# Altium PCB pcb.PcbDoc (part 1 of 2)
Units mm, origin at the board's own origin, x right, y up, seen from the top; angles counter-clockwise.
Board outline 68.58 x 53.34 mm, 2 copper layers (Top Layer, Bottom Layer); 105 components, 71 nets, 323 pads, 73 vias.
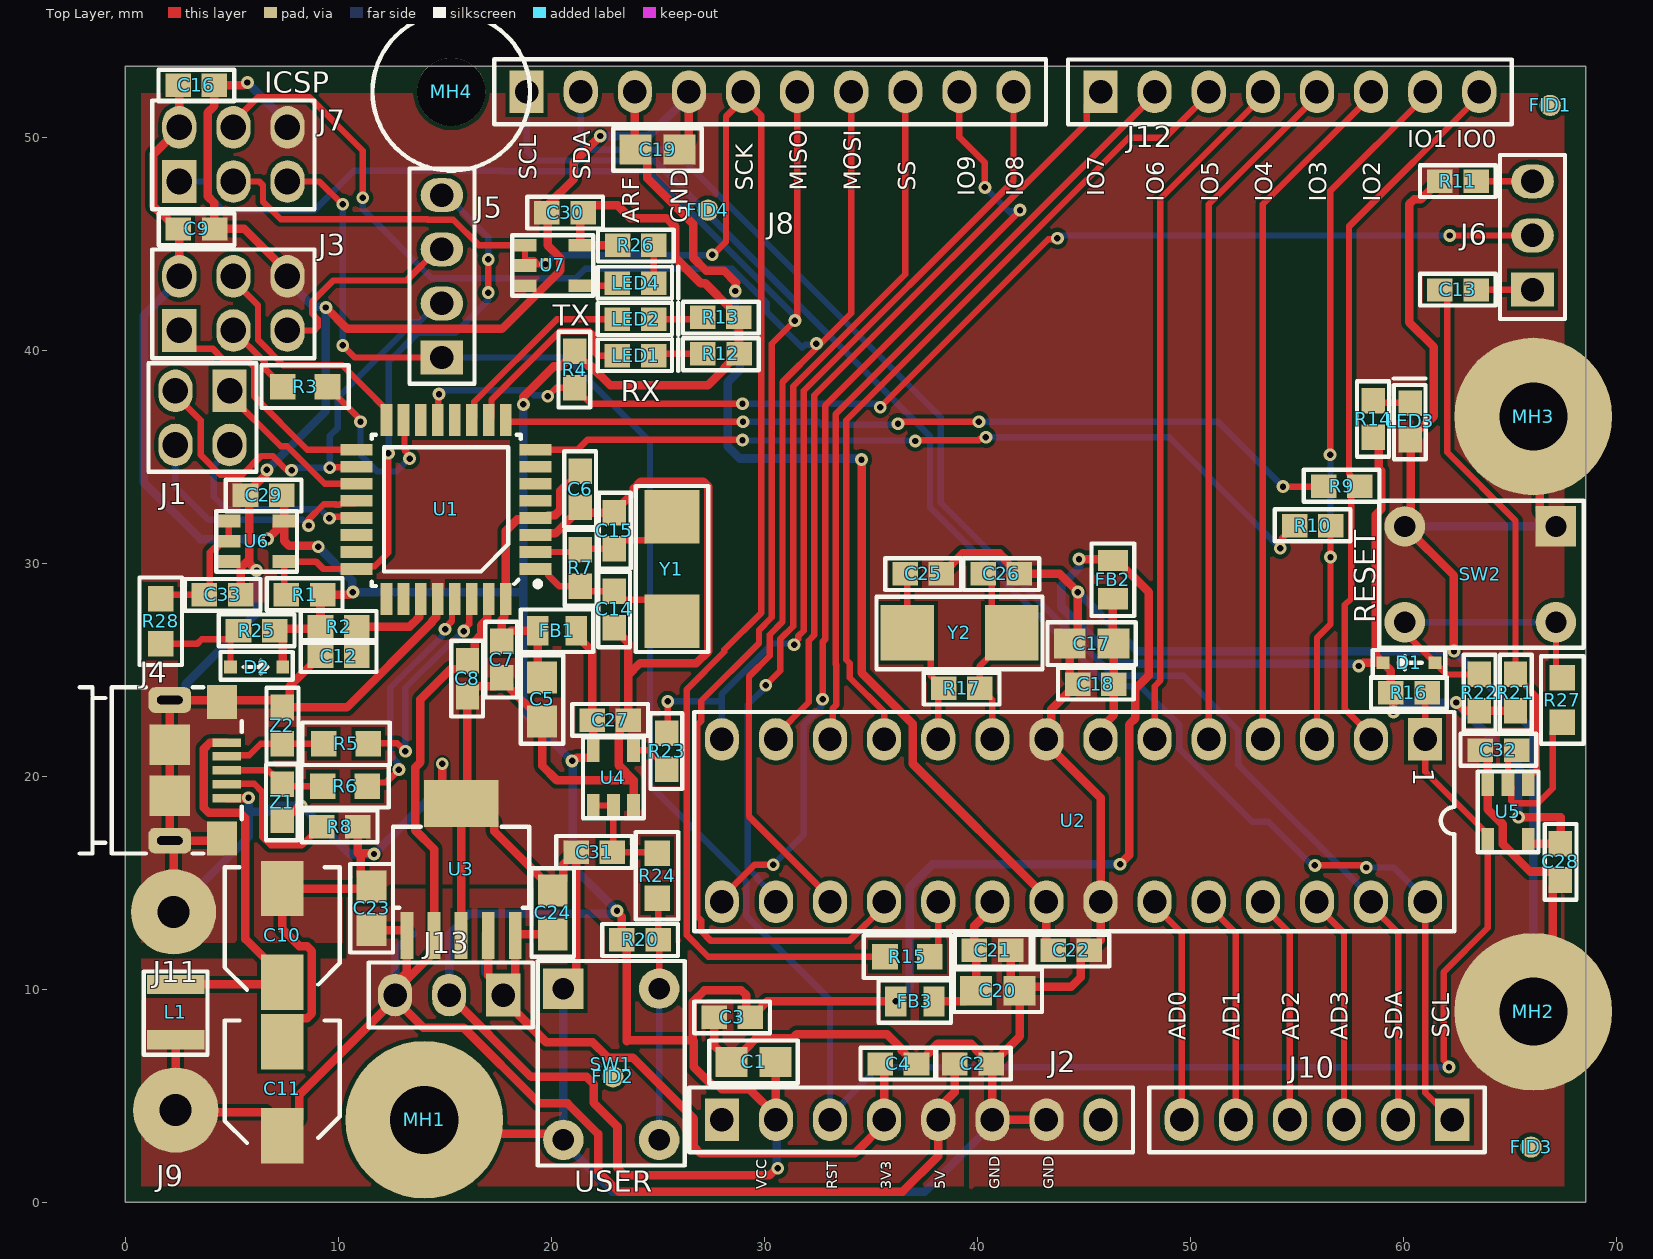
[diagram p0: Top Layer view]
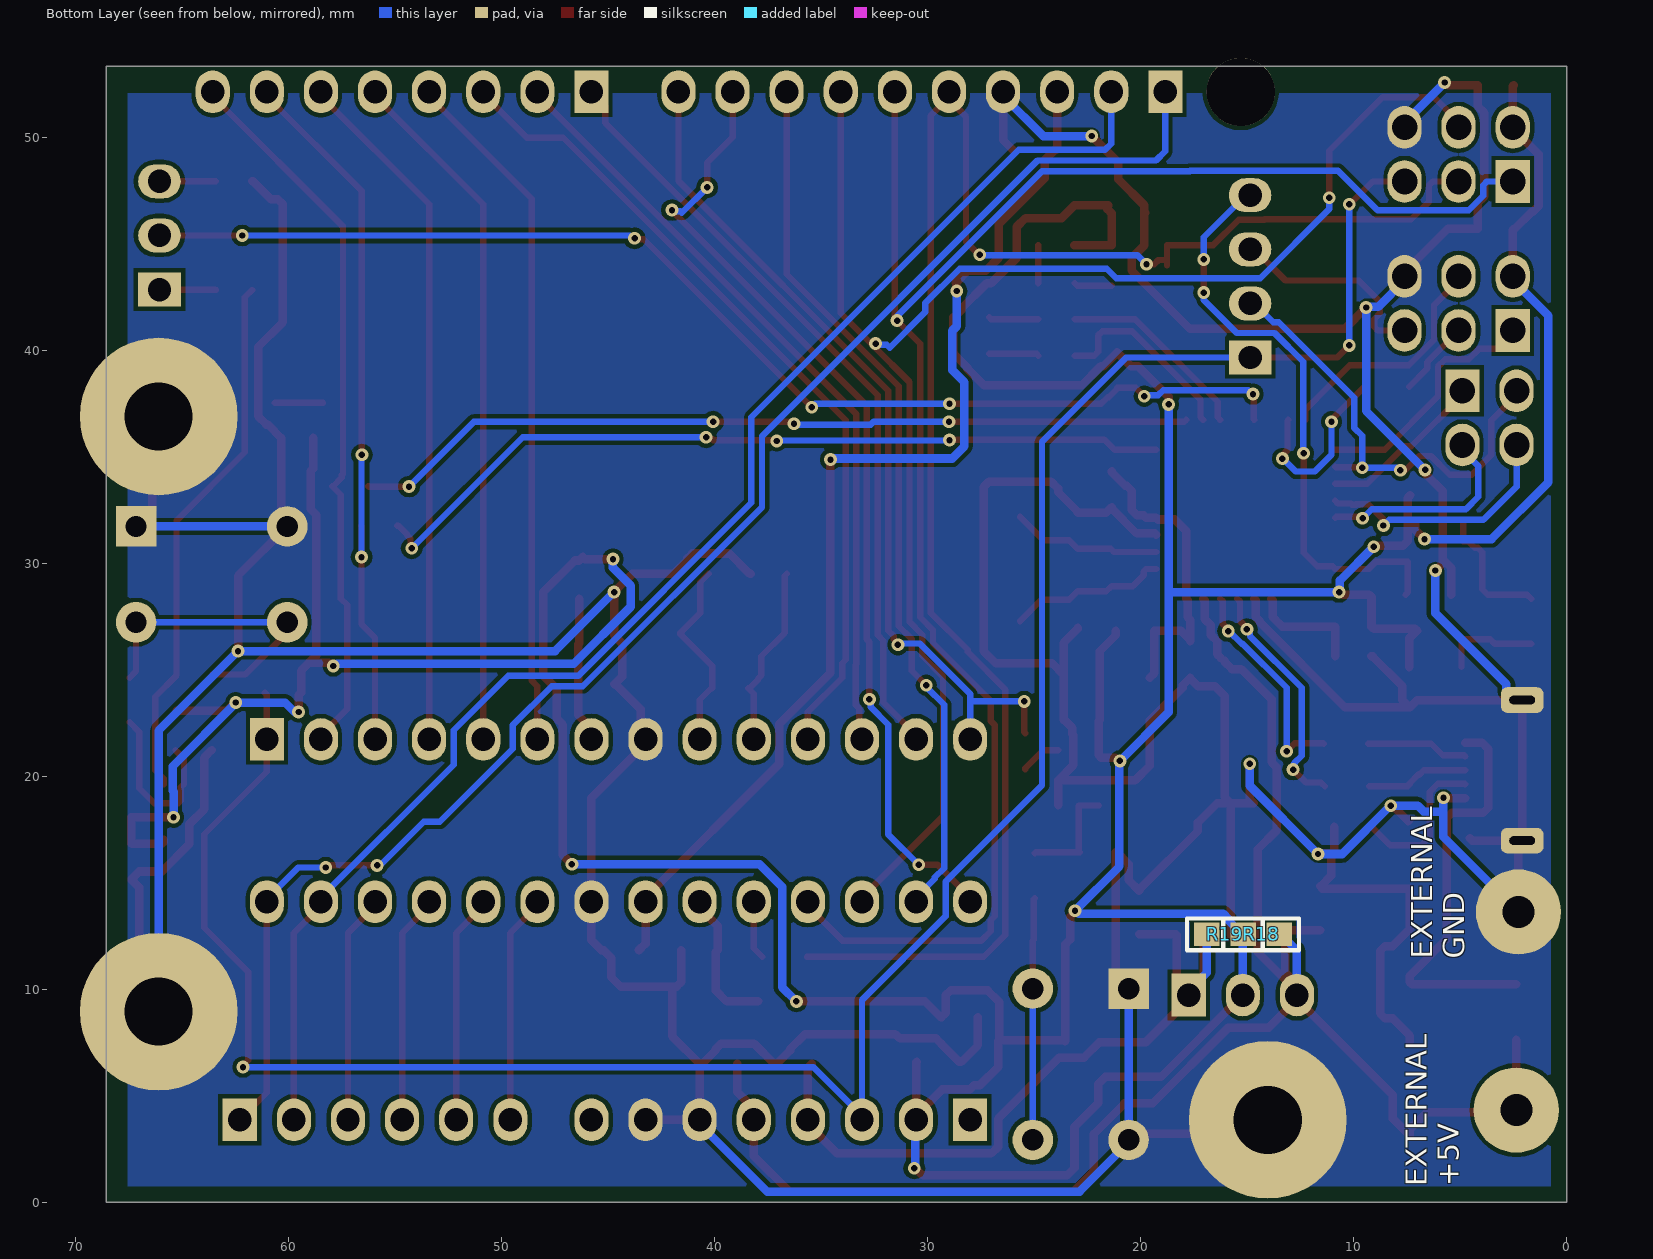
[diagram p1: Bottom Layer view, seen from below]

## Layer stack, top to bottom
Top Solder: solder mask 0.0102, Solder Resist, Dk 3.5
Top Layer: signal copper 0.0356
Dielectric 1: dielectric 0.32, FR-4, Dk 4.8
Bottom Layer: signal copper 0.0356
Bottom Solder: solder mask 0.0102, Solder Resist, Dk 3.5

## Board outline
0,0 68.58,0 68.58,53.34 0,53.34

## Design rules (kind name [scope] priority, off if disabled: settings)
Clearance [All] p1: gap=0.2 ignorepadtopadclearanceinfootprint=FALSE
ComponentClearance [All] p1: gap=0.2 collisioncheckmode=3 verticalgap=0.2 showdistances=FALSE
HoleSize [All] p1: absolutevalues=TRUE maxlimit=10 minlimit=0.2 maxpercent=80.000 minpercent=20.000
HoleToHoleClearance [All] p1: gap=0.3 allowstackedmicrovias=TRUE
MinimumSolderMaskSliver [All] p1: minsoldermaskwidth=0.1
PlaneConnect [All] p1: planeconnectstyle=Direct reliefexpansion=0.508 reliefentries=4 reliefconductorwidth=0.254 reliefairgap=0.254
PolygonConnect [All] p1: connectstyle=Direct reliefconductorwidth=0.254 reliefentries=4 polygonreliefangle="90 Angle" airgapwidth=0.254
RoutingVias [All] p1: holewidth=0.3 width=0.6 viastyle="Through Hole" minholewidth=0.3 minwidth=0.6 maxholewidth=0.3 maxwidth=0.6
SilkToSilkClearance [All] p1: silktosilkclearance=0.1
SilkToSolderMaskClearance [IsPad] p1: minsilkscreentomaskgap=0.1 clearancetoexposedcopper=TRUE
SolderMaskExpansion [All] p1: expansion=0.1 istentingtop=FALSE
Width Width_POWERS [InNet('+*') or InNet('GND')] p1: maxlimit=0.4 minlimit=0.4 preferedwidth=0.4
Width [All] p2: maxlimit=0.5 minlimit=0.3 preferedwidth=0.3
23 further rules are at their usual default settings.

## Components (designator, comment, footprint, x,y, rotation, side; value= is the part's Value field where it differs from the comment)
C1 "10uF" CAP_0805 29.5,6.6 r0 top
C2 "0.1u" CAP_603 39.8,6.5 r0 top
C3 "0.1u" CAP_603 28.5,8.7 r180 top
C4 "0.1u" CAP_603 36.3,6.5 r0 top
C5 "10uF" CAP_0805 19.571,23.611 r90 top
C6 "0.1u" CAP_603 21.371,33.486 r90 top
C7 "0.1u" CAP_603 17.671,25.486 r90 top
C8 "0.1u" CAP_603 16.071,24.586 r90 top
C9 "0.1u" CAP_603 3.35,45.7 r180 top
C10 "100uF / 10V" EEE-1AA101WR 7.371,12.536 r270 top
C11 "100uF / 10V" EEE-1AA101WR 7.371,5.336 r270 top
C12 "1uF" CAP_603 10.021,25.636 r0 top
C13 "0.1u" CAP_603 62.571,42.836 r0 top
C14 "18pF" CAP_603 22.971,27.836 r90 top
C15 "18pF" CAP_603 22.971,31.536 r270 top
C16 "0.1u" CAP_603 3.339,52.451 r180 top
C17 "10uF" CAP_0805 45.371,26.236 r0 top
C18 "0.1u" CAP_603 45.571,24.336 r0 top
C19 "10uF" CAP_0805 24.994,49.428 r180 top
C20 "10uF" CAP_0805 40.971,9.936 r180 top
C21 "0.1u" CAP_603 40.721,11.836 r180 top
C22 "0.1u" CAP_603 44.421,11.836 r180 top
C23 "10uF" CAP_0805 11.571,13.811 r270 top
C24 "10uF" CAP_0805 20.071,13.611 r270 top
C25 "18pF" CAP_603 37.465,29.515 r180 top
C26 "18pF" CAP_603 41.134,29.515 r180 top
C27 "0.1u" CAP_603 22.771,22.636 r0 top
C28 "0.1u" CAP_603 67.371,15.986 r270 top
C29 "0.1u" CAP_603 6.5,33.2 r180 top
C30 "0.1u" CAP_603 20.65,46.457 r0 top
C31 "0.1u" CAP_603 22.021,16.436 r0 top
C32 "0.1u" CAP_603 64.471,21.236 r0 top
C33 "0.1u" CAP_603 4.571,28.536 r180 top
D1 "BAT54HT1G" BAT54HT1G 60.271,25.336 r0 top
D2 "BAT54HT1G" BAT54HT1G 6.171,25.136 r180 top
FB1 "MPZ2012S601AT000" FB_0805 20.271,26.836 r180 top
FB2 "MPZ2012S601AT000" FB_0805 46.371,29.236 r270 top
FB3 "MPZ2012S601AT000" FB_0805 37.071,9.436 r0 top
FID1 "FID_1mm" FID_1mm 66.9,51.5 r0 top
FID2 "FID_1mm" FID_1mm 22.9,5.9 r90 top
FID3 "FID_1mm" FID_1mm 66,2.6 r90 top
FID4 "FID_1mm" FID_1mm 27.356,46.584 r90 top
J1 "HEADER_MALE_2x2" HEADER_MALE_2x2PIN 4.9,38.1 r270 top
J2 "HEADER FEMALE 8 pin 2,54mm" HEADER_FEMALE_8PIN_2.54mm 28.011,3.876 r90 top locked
J3 "M20-9760346" HEADER_MALE_2x3PIN 2.54,40.936 r90 top
J4 "10118193-0001LF" 10118193-0001LF 4.771,21.586 r270 top locked
J5 "M20-9990445" HEADER_MALE_1x4 15.118,45.936 r180 top
J6 "M20-9990345" HEADER_MALE_1x3 65.767,49.576 r180 top
J7 "M20-9760346" HEADER_MALE_2x3PIN 2.54,47.93 r90 top
J8 "HEADER FEMALE 10 pin 2,54mm" HEADER_FEMALE_10PIN_2.54mm 18.847,52.146 r90 top
J9 "4mmx1.5mm" PAD_WITH_HOLE_4mmx1.5mm 2.371,4.336 r0 top
J10 "HEADER FEMALE 6 pin 2,54mm" HEADER_FEMALE_6PIN_2.54mm 62.301,3.876 r270 top locked
J11 "4mmx1.5mm" PAD_WITH_HOLE_4mmx1.5mm 2.271,13.636 r0 top
J12 "HEADER FEMALE 8 pin 2,54mm" HEADER_FEMALE_8PIN_2.54mm 45.791,52.136 r90 top locked
J13 "M20-9990345" HEADER_MALE_1x3 11.031,9.432 r270 top locked
L1 "2u2 / 2A" L_1210 2.371,8.936 r270 top
LED1 "LOL29K-H2K1-24-Z" LED_0603 23.971,39.736 r0 top
LED2 "LOL29K-H2K1-24-Z" LED_0603 23.971,41.436 r0 top
LED3 "LGL29K-F2J1-24-Z" LED_0603 60.35,36.678 r90 top
LED4 "LOL29K-H2K1-24-Z" LED_0603 23.971,43.136 r0 top
MH1 "MH" MH_7.4mm_3,2MMD#1 14.041,3.876 r0 top locked
MH2 "MH" MH_7.4mm_3,2MMD#1 66.111,8.956 r0 top locked
MH3 "MH" MH_7.4mm_3,2MMD#2 28.011,16.576 r0 top locked
MH4 "MH" MH_7.4mm_3,2MMD_nonplated 15.311,52.136 r0 top locked
R1 "10k" R_0603 8.421,28.536 r0 top
R2 "0R" R_0603 10.021,27.036 r180 top
R3 "22R" R_0805 8.45,38.3 r180 top
R4 "100k" R_0603 21.107,39.102 r90 top
R5 "22R" R_0805 10.371,21.536 r0 top
R6 "22R" R_0805 10.321,19.536 r0 top
R7 "1M" R_0603 21.371,29.786 r270 top
R8 "0R" R_0603 10.071,17.636 r0 top
R9 "1k" R_0603 57.111,33.63 r0 top
R10 "1k" R_0603 55.753,31.775 r0 top
R11 "1k" R_0603 62.571,47.936 r0 top
R12 "560R" R_0603 27.971,39.836 r180 top
R13 "560R" R_0603 27.965,41.554 r180 top
R14 "560R" R_0603 58.598,36.779 r90 top
R15 "22R" R_0805 36.721,11.536 r180 top
R16 "10k" R_0603 60.271,23.936 r180 top
R17 "1M" R_0603 39.271,24.136 r180 top
R18 "0R" R_0603 14.35,12.6 r0 bottom
R19 "0R" R_0603 16.05,12.6 r0 bottom
R20 "10k" R_0603 24.171,12.336 r180 top
R21 "10k" R_0603 65.271,23.936 r270 top
R22 "10k" R_0603 63.571,23.936 r270 top
R23 "560R" R_0603 25.425,21.184 r90 top
R24 "22R" R_0805 24.971,15.336 r90 top
R25 "10k" R_0603 6.171,26.836 r0 top
R26 "560R" R_0603 23.971,44.936 r180 top
R27 "22R" R_0805 67.471,23.586 r270 top
R28 "22R" R_0805 1.671,27.286 r90 top
SW1 "1825910-6" BUTTON 20.571,9.736 r0 top locked
SW2 "1825910-6" BUTTON 66.871,31.736 r270 top
U1 "ATMEGA16U2-AU" TQFP32 15.071,32.536 r180 top locked
U2 "ATMEGA328P-PU" DIP28_7.62mm 61.031,21.736 r270 top locked
U3 "TL1963A-33DCQR" "DCQ (R-PDSO-G6)" 15.771,15.636 r90 top
U4 "SN74AHC1G09DBVR" SOT-23 21.971,18.636 r90 top
U5 "SN74AHC1G09DBVR" SOT-23 65.871,19.636 r270 top
U6 "SN74AHC1G09DBVR" SOT-23 4.871,31.986 r0 top
U7 "SN74AHC1G09DBVR" SOT-23 18.771,44.936 r0 top
Y1 "CRYSTAL 16.0000MHZ 18PF SMD" ABM7_v1_1_BIG 25.671,29.736 r90 top
Y2 "CRYSTAL 16.0000MHZ 18PF SMD" ABM7_v1_1_BIG 39.171,26.736 r0 top
Z1 "CG0603MLC-05E" CG0603MLC-05E 7.371,18.786 r90 top
Z2 "CG0603MLC-05E" CG0603MLC-05E 7.371,22.386 r270 top

## Footprints (in the part's own frame and the unit in brackets; to place one, negate y for a bottom-side part, rotate by r counter-clockwise, add the part's x,y. Pads: shape width x height; smd on the part's side, far side on the other; paste and mask are expansions set on the pad)
10118193-0001LF [mm]
  rect 0.4x1.35 smd mask+0.05: 1(0,0) 2(0.65,0) 3(1.3,0) 4(1.95,0) 5(2.6,0)
  rect 1.6x1.4 smd mask+0.05: 6(-1.9,-0.225) 7(4.5,-0.225)
  rrect50% 1.2x2 hole 0.4 slot 1.2 at 90 deg mask+0.05: 8(-2,-2.675) 9(4.6,-2.675)
  rect 1.9x1.9 smd mask+0.05: 10(0.1,-2.675) 11(2.5,-2.675)
  silkscreen extent -2.6,-6.9 5.2,0.7, body extent -2.63,-5.46 5.23,0.2, height 2.81
ABM7_v1_1_BIG [mm]
  rect 2.5x2.6 smd: 1(-2.45,0) 2(2.45,0)
  silkscreen extent -3.9,-1.7 3.9,1.7, body extent -3,-1.75 3,1.75, height 1.41
BAT54HT1G [mm]
  rect 0.6x0.6 smd: 1(-1.225,0) 2(1.225,0)
  silkscreen extent -1.7,-0.7 1.7,0.6, body extent -1.25,-0.7 1.25,0.55, height 0.9
BUTTON [mm]
  rect 1.9x1.9 hole 1: 1(0,0.3)
  round 1.9 hole 1: 2(0,-6.8) 3(4.5,0.3) 4(4.5,-6.8)
  silkscreen extent -1.2,-8 5.7,1.6, body extent -0.79,-7.1 5.2,0.7, height 5
CAP_603 [mm]
  rect 1.2x1.1 smd: 1(-0.85,0) 2(0.85,0)
  silkscreen extent -1.78,-0.73 1.78,0.76, body extent -0.8,-0.41 0.8,0.41, height 0.9
CAP_0805 [mm]
  rect 1.5x1.4 smd: 1(-1.025,0) 2(1.025,0)
  silkscreen extent -2.07,-1 2.08,1, body extent -1,-0.62 1,0.62, height 1.25
CG0603MLC-05E [mm]
  rect 1.2x1.1 smd: 1(-0.85,0) 2(0.85,0)
  silkscreen extent -1.78,-0.73 1.78,0.76, body extent -0.8,-0.4 0.8,0.4, height 0.55
"DCQ (R-PDSO-G6)" [mm]
  rect 2.2x0.6 smd: 1(-3.1,2.54) 2(-3.1,1.27) 3(-3.1,0) 4(-3.1,-1.27) 5(-3.1,-2.54)
  rect 2.2x3.5 smd: 6(3.1,0)
  silkscreen extent -1.8,-3.2 2,3.2, body extent -3.53,-3.26 3.53,3.24, height 1.8
DIP28_7.62mm [mm]
  rect 2x1.6 hole 1.1: 1(0,0)
  oval 2x1.6 hole 1.1: 2(0,-2.54) 3(0,-5.08) 4(0,-7.62) 5(0,-10.16) 6(0,-12.7) 7(0,-15.24) 8(0,-17.78) 9(0,-20.32) 10(0,-22.86) 11(0,-25.4) 12(0,-27.94) 13(0,-30.48) 14(0,-33.02) 15(7.62,-33.02) 16(7.62,-30.48) 17(7.62,-27.94) 18(7.62,-25.4) 19(7.62,-22.86) 20(7.62,-20.32) 21(7.62,-17.78) 22(7.62,-15.24) 23(7.62,-12.7) 24(7.62,-10.16) 25(7.62,-7.62) 26(7.62,-5.08) 27(7.62,-2.54) 28(7.62,0)
  silkscreen extent -1.29,-34.31 9.01,1.37, body extent 0.07,-34.46 7.95,1.48, height 4.85
EEE-1AA101WR [mm]
  rect 2.6x2 smd: 1(2.2,0) 2(-2.2,0)
  silkscreen extent -3.2,-2.7 2.55,2.7, body extent -3.25,-2.75 3.25,2.75, height 5.5
FB_0805 [mm]
  rect 1x1.4 smd: 1(-0.9,0) 2(0.9,0)
  silkscreen extent -1.7,-1 1.7,1, body extent -1,-0.62 1,0.62, height 1.05
FID_1mm [mm]
  round 1 smd paste-1 mask+1: 1(0,0)
HEADER_FEMALE_6PIN_2.54mm [mm]
  rect 2x1.6 hole 1.1: 1(0,0)
  oval 2x1.6 hole 1.1: 2(0,-2.54) 3(0,-5.08) 4(0,-7.62) 5(0,-10.16) 6(0,-12.7)
  silkscreen extent -1.52,-14.22 1.52,1.52, body extent -1.25,-14.17 1.25,1.47, height 8.31
HEADER_FEMALE_8PIN_2.54mm [mm]
  rect 2x1.6 hole 1.1: 1(0,0)
  oval 2x1.6 hole 1.1: 2(0,-2.54) 3(0,-5.08) 4(0,-7.62) 5(0,-10.16) 6(0,-12.7) 7(0,-15.24) 8(0,-17.78)
  silkscreen extent -1.52,-19.3 1.52,1.52, body extent -1.25,-19.3 1.25,1.42, height 8.31
HEADER_FEMALE_10PIN_2.54mm [mm]
  rect 2x1.6 hole 1.1: 1(0,0)
  oval 2x1.6 hole 1.1: 2(0,-2.54) 3(0,-5.08) 4(0,-7.62) 5(0,-10.16) 6(0,-12.7) 7(0,-15.24) 8(0,-17.78) 9(0,-20.32) 10(0,-22.86)
  silkscreen extent -1.52,-24.38 1.52,1.52, body extent -1.23,-24.33 1.27,1.47, height 8.51
HEADER_MALE_1x3 [mm]
  rect 2x1.6 hole 1.1: 1(-0.304,6.72)
  oval 2x1.6 hole 1.1: 2(-0.304,4.18) 3(-0.304,1.64)
  silkscreen extent -1.83,0.4 1.22,8.1, body extent -1.54,0.39 1,8.01, height 8.64
HEADER_MALE_1x4 [mm]
  rect 2x1.6 hole 1.1: 1(0.247,6.27)
  oval 2x1.6 hole 1.1: 2(0.247,3.73) 3(0.247,1.19) 4(0.247,-1.35)
  silkscreen extent -1.28,-2.6 1.77,7.5, body extent -1.02,-2.62 1.52,7.54, height 8.64
HEADER_MALE_2x2PIN [mm]
  rect 2x1.6 / inner rect 2x1.2 / far side rect 2x1.6 hole 1.2: 1(0,0)
  oval 2x1.6 / inner oval 2x1.2 / far side oval 2x1.6 hole 1.2: 2(2.54,0) 3(0,-2.54) 4(2.54,-2.54)
  silkscreen extent -1.3,-3.8 3.8,1.27, body extent -1.2,-3.74 3.88,1.34, height 7.75
HEADER_MALE_2x3PIN [mm]
  rect 2x1.6 / inner rect 2x1.2 / far side rect 2x1.6 hole 1.2: 1(0,0)
  oval 2x1.6 / inner oval 2x1.2 / far side oval 2x1.6 hole 1.2: 2(2.54,0) 3(0,-2.54) 4(2.54,-2.54) 5(0,-5.08) 6(2.54,-5.08)
  silkscreen extent -1.3,-6.35 3.8,1.27, body extent -1.34,-6.32 3.74,1.3, height 8.64
L_1210 [mm]
  rect 0.9x2.7 smd: 1(-1.3,0) 2(1.3,0)
  silkscreen extent -1.9,-1.5 2,1.5, body extent -1.6,-1.25 1.6,1.25, height 2.7
LED_0603 [mm]
  rect 1.2x1.1 smd: 1(-0.862,0.018) 2(0.838,0.018)
  silkscreen extent -1.79,-0.71 2,0.8, body extent -0.85,-0.4 0.85,0.4, height 0.67
MH_7.4mm_3,2MMD#1 [mm]
  round 7.4 hole 3.2: 1(0,0)
MH_7.4mm_3,2MMD#2 [mm]
  round 7.4 hole 3.2: 1(38.1,20.32)
MH_7.4mm_3,2MMD_nonplated [mm]
  round 3.2 hole 3.2 unplated: 1(0,0)
  silkscreen extent -3.7,-3.7 3.7,3.7
PAD_WITH_HOLE_4mmx1.5mm [mm]
  round 4 hole 1.5: 1(0,0)
R_0603 [mm]
  rect 1.2x1.1 smd: 1(-0.85,0) 2(0.85,0)
  silkscreen extent -1.78,-0.73 1.78,0.76, body extent -0.8,-0.4 0.8,0.4, height 0.55
R_0805 [mm]
  rect 1.2x1.2 smd: 1(-1.05,0) 2(1.05,0)
  silkscreen extent -2.05,-1 2.05,1, body extent -1,-0.63 1,0.62, height 0.6
SOT-23 [mm]
  rect 1.1x0.6 smd: 1(0,0) 2(0,-0.95) 3(0,-1.9) 4(2.6,-1.9) 5(2.6,0)
  silkscreen extent -0.6,-2.38 3.2,0.48, body extent -0.1,-2.4 2.7,0.5, height 1.45
TQFP32 [mm]
  rect 1.5x0.55 smd mask+0.06: 1(-4.2,2.8) 2(-4.2,2) 3(-4.2,1.2) 4(-4.2,0.4) 5(-4.2,-0.4) 6(-4.2,-1.2) 7(-4.2,-2) 8(-4.2,-2.8) 17(4.2,-2.8) 18(4.2,-2) 19(4.2,-1.2) 20(4.2,-0.4) 21(4.2,0.4) 22(4.2,1.2) 23(4.2,2) 24(4.2,2.8)
  rect 0.55x1.5 smd mask+0.06: 9(-2.8,-4.2) 10(-2,-4.2) 11(-1.2,-4.2) 12(-0.4,-4.2) 13(0.4,-4.2) 14(1.2,-4.2) 15(2,-4.2) 16(2.8,-4.2) 25(2.8,4.2) 26(2,4.2) 27(1.2,4.2) 28(0.4,4.2) 29(-0.4,4.2) 30(-1.2,4.2) 31(-2,4.2) 32(-2.8,4.2)
  silkscreen extent -4.4,-3.5 3.5,3.6, body extent -4.6,-4.6 4.6,4.6, height 1.2

## Part data
C1 C5 C19 C23 C24: library part CL21A106KOQNNNG, "Ceramic capacitor SMD 0805 10 µF 16 V 10 %", Case Code (Imperial)=0805, Case Code (Metric)=2012, Dielectric=X5R, Manufacturer=Samsung, Max Operating Temperature=85°C, Min Operating Temperature=-55°C, Package Quantity=3000, Tolerance=10%, Voltage=16V, Capacitance=10uF, Case/Package=0805, Category="Ceramic Capacitors", ComponentLink1Description=https://datasheet.ciiva.com/25730/cl21a106koqnnng-25730226.pdf?src-supplier=Digi-Key, ComponentLink1URL=https://datasheet.ciiva.com/25730/cl21a106koqnnng-25730226.pdf?src-supplier=Digi-Key, ComponentLink2Description=https://datasheet.ciiva.com/29199/454932-da-01-en-vs-kondensator-0805-29199423.pdf?src-supplier=Conrad, ComponentLink2URL=https://datasheet.ciiva.com/29199/454932-da-01-en-vs-kondensator-0805-29199423.pdf?src-supplier=Conrad, Depth=1.25mm, Height=1.25mm, Length=2mm, Manufacturer Part Number=CL21A106KOQNNNG, Material=Ceramic, Mount="Surface Mount", Packaging="Tape and Reel", Pricing 1="1=0.11000, 10=0.08300, 50=0.04500, 100=0.03680, 500=0.02626, 1000=0.02063 (USD)", RoHS=Yes, Stock 1=763943, Supplier 1=Digi-Key, Thickness=0.053inch, Voltage Rating=16V, Width=0.049inch
C2 C3 C4 C6 C7 C8 C9 C13 C16 C27 C28 C29 C30 C31 C32 C33: library part CL10B104KB8NNNL, "CL10 Series 0603 0.1 uF 50 V ±10% Tolerance X7R Multilayer Ceramic Capacitor", Capacitance=100nF, Case/Package=0603, Dielectric=X7R, Manufacturer=Samsung, Max Operating Temperature=125°C, Min Operating Temperature=-55°C, Package Quantity=15000, Tolerance=10%, Voltage Rating=50V, Category="Ceramic Capacitors", ComponentLink1Description=https://datasheet.ciiva.com/26838/getdatasheetpartid-357523-26838415.pdf?src-supplier=Verical, ComponentLink1URL=https://datasheet.ciiva.com/26838/getdatasheetpartid-357523-26838415.pdf?src-supplier=Verical, ComponentLink2Description=https://datasheet.ciiva.com/25741/cl10b104kb8nnnl-25741341.pdf?src-supplier=Digi-Key, ComponentLink2URL=https://datasheet.ciiva.com/25741/cl10b104kb8nnnl-25741341.pdf?src-supplier=Digi-Key, Depth=0.8mm, Height=0.8mm, Length=1.6mm, Manufacturer Part Number=CL10B104KB8NNNL, Mount="Surface Mount", Packaging="Tape and Reel", Pricing 1="1=0.10000, 10=0.02900, 50=0.01580, 100=0.01280, 500=0.00916, 1000=0.00720, 2500=0.00654, 5000=0.00602 (USD)", Radiation Hardening=No, RoHS=Yes, Stock 1=4930902, Supplier 1=Digi-Key, Thickness=0.035inch, Voltage Rating (DC)=50V, Width=0.031inch
C10 C11: library part EEE-1AA101WR, "Cap Aluminum 100uF 10V 20% (5 X 5.4mm) SMD 50mA 1000 hr 85°C T/R", Capacitance=100uF, Case/Package=Radial, Manufacturer=Panasonic, Max Operating Temperature=85°C, Min Operating Temperature=-40°C, Package Quantity=1, Ripple Current=50mA, Supplier Part Number 1=PCE3867CT-ND, Tolerance=20%, Voltage Rating=10V, Category="Aluminum Electrolytic Capacitors", ComponentLink1Description=https://datasheet.ciiva.com/26945/getdatasheetpartid-169213-26945071.pdf?src-supplier=Verical, ComponentLink1URL=https://datasheet.ciiva.com/26945/getdatasheetpartid-169213-26945071.pdf?src-supplier=Verical, ComponentLink2Description=https://datasheet.ciiva.com/2983/aba0000ce2-2983906.pdf?src-supplier=Avnet, ComponentLink2URL=https://datasheet.ciiva.com/2983/aba0000ce2-2983906.pdf?src-supplier=Avnet, ComponentLink3Description=https://datasheet.ciiva.com/30075/11aba0000ce2-30075303.pdf?src-supplier=Onlinecomponents.com, ComponentLink3URL=https://datasheet.ciiva.com/30075/11aba0000ce2-30075303.pdf?src-supplier=Onlinecomponents.com, ComponentLink4Description=https://datasheet.ciiva.com/16427/aba0000ce2-16427544.pdf?src-supplier=Future+Electronics, ComponentLink4URL=https://datasheet.ciiva.com/16427/aba0000ce2-16427544.pdf?src-supplier=Future+Electronics, ComponentLink5Description=https://datasheet.ciiva.com/14598/70255710-14598233.pdf?src-supplier=Allied+Electronics, ComponentLink5URL=https://datasheet.ciiva.com/14598/70255710-14598233.pdf?src-supplier=Allied+Electronics, ComponentLink6Description=https://datasheet.ciiva.com/14605/70255710-14605689.pdf?src-supplier=Allied+Electronics, ComponentLink6URL=https://datasheet.ciiva.com/14605/70255710-14605689.pdf?src-supplier=Allied+Electronics, ComponentLink7Description=https://datasheet.ciiva.com/11673/aba0000ce2-11673882.pdf?src-supplier=Avnet, ComponentLink7URL=https://datasheet.ciiva.com/11673/aba0000ce2-11673882.pdf?src-supplier=Avnet, ComponentLink8Description=https://datasheet.ciiva.com/24027/aba0000ce2-40801-24027541.pdf?src-supplier=Mouser, ComponentLink8URL=https://datasheet.ciiva.com/24027/aba0000ce2-40801-24027541.pdf?src-supplier=Mouser, Contact Plating=Tin, Diameter=5mm, Height=5.4mm, Height - Seated (Max)=0.213inch, Lead Free="Lead Free", Length=5.5mm, Life (Hours)=1000Hour, Manufacturer Part Number=EEE-1AA101WR, Mount="Surface Mount,PCB", Packaging="Tape and Reel", Pricing 1="1=0.35000, 10=0.24300, 50=0.16180, 100=0.13740, 500=0.09702 (USD)", Radiation Hardening=No, REACH SVHC=Unknown, Ripple Current (AC)=50mA, RoHS=Yes, Stock 1=120721, Supplier 1=Digi-Key, Termination=SMD/SMT, Voltage Rating (DC)=10V
C12: library part CC0603KRX5R8BB105, "YAGEO - CC0603KRX5R8BB105 - SMD Multilayer Ceramic Capacitor, 1 &#181;F, 25 V, 0603 [1608 Metric], &#177; 10%, X5R, CC Series", Case Code (Imperial)=0603, Case Code (Metric)=1608, Dielectric=X5R, Manufacturer=Yageo, Max Operating Temperature=85°C, Min Operating Temperature=-55°C, Package Quantity=1, Supplier Part Number 1=311-1445-1-ND, Tolerance=10%, Voltage Rating=25V, Capacitance=1uF, Case/Package=0603, Category="Ceramic Capacitors", ComponentLink1Description=https://datasheet.ciiva.com/176/mlccorderingcode-176785.pdf?src-supplier=Digi-Key, ComponentLink1URL=https://datasheet.ciiva.com/176/mlccorderingcode-176785.pdf?src-supplier=Digi-Key, ComponentLink2Description=https://datasheet.ciiva.com/176/mlccorderingcode-176786.pdf?src-supplier=Digi-Key, ComponentLink2URL=https://datasheet.ciiva.com/176/mlccorderingcode-176786.pdf?src-supplier=Digi-Key, ComponentLink3Description=https://datasheet.ciiva.com/176/mlccorderingcode-176787.pdf?src-supplier=Digi-Key, ComponentLink3URL=https://datasheet.ciiva.com/176/mlccorderingcode-176787.pdf?src-supplier=Digi-Key, ComponentLink4Description=https://datasheet.ciiva.com/17436/upy-gphc-x5r-4v-to-50v-12-17436952.pdf?src-supplier=Avnet+Europe, ComponentLink4URL=https://datasheet.ciiva.com/17436/upy-gphc-x5r-4v-to-50v-12-17436952.pdf?src-supplier=Avnet+Europe, ComponentLink5Description=https://datasheet.ciiva.com/7978/1525783-7978171.pdf?src-supplier=Element14, ComponentLink5URL=https://datasheet.ciiva.com/7978/1525783-7978171.pdf?src-supplier=Element14, ComponentLink6Description=https://datasheet.ciiva.com/11586/upy-gphc-x5r-4v-to-50v-12-11586318.pdf?src-supplier=Avnet, ComponentLink6URL=https://datasheet.ciiva.com/11586/upy-gphc-x5r-4v-to-50v-12-11586318.pdf?src-supplier=Avnet, Depth=0.8mm, Halogen Free="Halogen Free", Height=0.8mm, Lead Free="Lead Free", Length=1.6mm, Manufacturer Part Number=CC0603KRX5R8BB105, Mount="Surface Mount", Number of Pins=2, Packaging="Tape and Reel", Pricing 1="1=0.11000, 10=0.08000, 50=0.04560, 100=0.03770, 500=0.02644, 1000=0.02189 (USD)", Radiation Hardening=No, REACH SVHC="No SVHC", RoHS=Yes, Stock 1=1653494, Supplier 1=Digi-Key, Termination=SMD/SMT, Thickness=0.035inch, Voltage Rating (DC)=25V, Width=0.031inch
C14 C15 C25 C26: library part 06035A180JAT2A, "0603 18 pF 50V ±5% Tolerance C0G/NP0 Surface Mount Multilayer Ceramic Capacitor", Case Code (Imperial)=0603, Case Code (Metric)=1608, Dielectric=C0G, Dielectric Material=Ceramic, Insulation Resistance=100GR, Manufacturer="Kyocera AVX", Max Operating Temperature=125°C, Min Operating Temperature=-55°C, Package Quantity=1, Supplier Part Number 1=478-1166-1-ND, Temperature Coefficient=30ppm/°C, Tolerance=5%, Voltage=50V, Capacitance=18pF, Case/Package=0603, Category="Ceramic Capacitors", ComponentLink1Description=https://datasheet.ciiva.com/1124/84496-1124722.pdf?src-supplier=Element14, ComponentLink1URL=https://datasheet.ciiva.com/1124/84496-1124722.pdf?src-supplier=Element14, ComponentLink2Description=https://datasheet.ciiva.com/150/ccog-150276.pdf?src-supplier=Digi-Key, ComponentLink2URL=https://datasheet.ciiva.com/150/ccog-150276.pdf?src-supplier=Digi-Key, ComponentLink3Description=https://datasheet.ciiva.com/150/ccog-150277.pdf?src-supplier=Digi-Key, ComponentLink3URL=https://datasheet.ciiva.com/150/ccog-150277.pdf?src-supplier=Digi-Key, ComponentLink4Description=https://datasheet.ciiva.com/7855/759117-7855062.pdf?src-supplier=Element14, ComponentLink4URL=https://datasheet.ciiva.com/7855/759117-7855062.pdf?src-supplier=Element14, ComponentLink5Description=https://datasheet.ciiva.com/7855/84496-7855222.pdf?src-supplier=Element14, ComponentLink5URL=https://datasheet.ciiva.com/7855/84496-7855222.pdf?src-supplier=Element14, ComponentLink6Description=https://datasheet.ciiva.com/22699/84496-22699967.pdf?src-supplier=Element14, ComponentLink6URL=https://datasheet.ciiva.com/22699/84496-22699967.pdf?src-supplier=Element14, Contact Plating=Tin,Matte, Depth=0.81mm, Height=0.63mm, Lead Free="Lead Free", Length=1.6mm, Manufacturer Part Number=06035A180JAT2A, Mount="Surface Mount,PCB", Number of Pins=2, Packaging="Tape and Reel", Pricing 1="1=0.10000, 10=0.05700, 50=0.03100, 100=0.02530, 500=0.01810, 1000=0.01422 (USD)", Radiation Hardening=No, REACH SVHC="No SVHC", RoHS=Yes, Stock 1=137314, Supplier 1=Digi-Key, Termination=SMD/SMT, Thickness=0.035inch, Voltage Rating=50V, Voltage Rating (DC)=50V, Width=0.81mm